# KiCad board SONATA-ONE.kicad_pcb (continued)
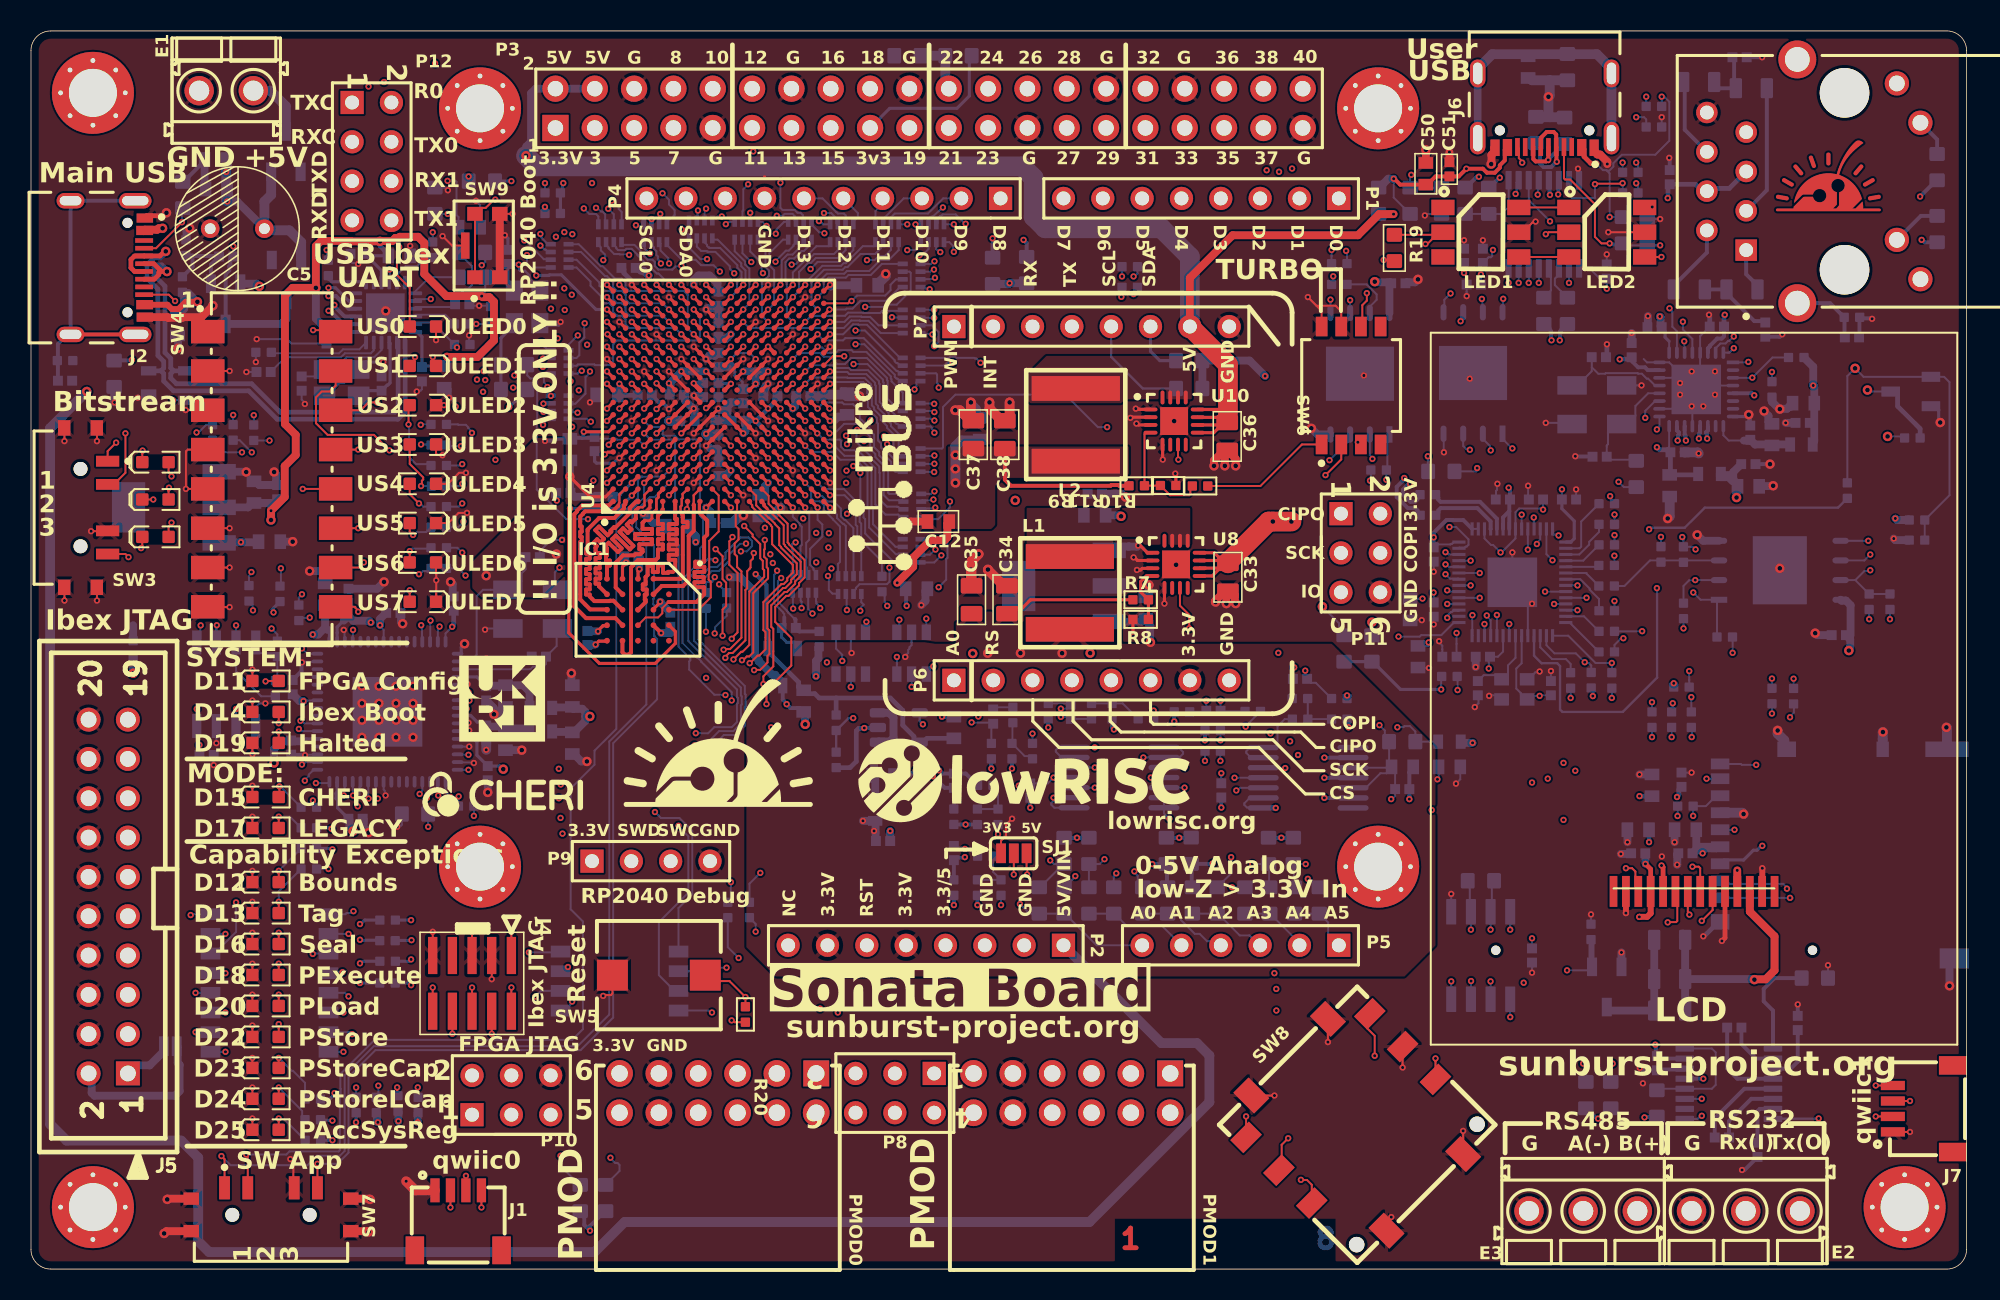
[diagram p0: board, top side]
## Routing (per net, layer and track width the routed paths; a pad name or vN(x,y) marks a point on that pad's centre or on a via; arc(x,y) is an arc through that point) (continued)
  Bottom w0.2: v2(19.21,63.4) 19.67,63.4 20.52,62.55 U12.5
  Bottom w0.254: v2(89.06,50.74) 89.02,50.74 88.95,50.66 88.9,50.66 88.61,50.37 88.61,50.06 89.09,49.58 89.39,49.58 89.53,49.72 89.53,49.86 R56.1
/RP2040/RP2040_SW0: length 139.7
  Top w0.127: SW3.1 4.95,52.85 v2(5.5,53.4)
  In3.Cu w0.127: v2(80.6,70.9) 81.1,70.4 82.8,70.4 83.8,71.4 83.8,77.4 82.4,78.8 28.12,78.8 28.11,78.81 27.69,78.81 27.68,78.8 24.6,78.8 23.7,77.9 18.9,77.9 17.9,76.9 17.9,66.16 15.25,63.5 15.25,63.29 14.96,63 14.75,63 7.65,55.91 7.01,55.91 5.5,54.4 v2(5.5,53.4)
  In6.Cu w0.127: v2(91.6,47.95) 91.62,47.96 91.62,52.58 91.64,52.61 91.64,52.94 91.62,52.96 91.62,60.38 85.05,66.95 81.85,66.95 80.75,68.05 80.75,70.01 80.6,70.16 v2(80.6,70.9)
  Bottom w0.127: U11.41 92.25,46.61 92.58,46.61 92.65,46.68 92.72,46.68 92.83,46.79 92.83,47.15 92.04,47.95 v2(91.6,47.95)
/RP2040/RP2040_SW1: length 140.8
  Top w0.127: SW3.2 5.35,50.7 6.1,51.45 v2(6.1,54)
  In3.Cu w0.127: v2(6.1,54) 14.85,62.75 15.06,62.75 15.5,63.19 15.5,63.4 18.4,66.3 18.4,76.73 19.18,77.51 22.29,77.51 22.38,77.6 25.02,77.6 25.11,77.51 26.55,77.51 27.34,78.3 82.5,78.3 83.55,77.25 83.55,71.51 82.76,70.72 81.28,70.72 80.99,71 80.99,71.06 80.76,71.29 80.09,71.29 v2(79.8,71)
  In6.Cu w0.127: v2(79.8,71) 79.8,70.6 80.5,69.9 80.5,69 80.48,68.98 80.48,67.92 81.7,66.7 84.94,66.7 90.85,60.79 90.85,48.14 91.35,47.64 v2(91.35,46.32)
  Bottom w0.127: U11.40 91.57,46.17 91.43,46.32 v2(91.35,46.32)
/RP2040/RP2040_SW2: length 142.8
  Top w0.127: v2(6.3,46) 6.1,46.2 SW3.4
  In3.Cu w0.127: v2(81.44,71.11) 82.41,71.11 83.29,71.99 83.29,77.15 82.6,77.84 27.24,77.84 26.65,77.25 25.01,77.25 24.91,77.35 22.49,77.35 22.39,77.25 19.55,77.25 18.8,76.5 18.8,66.13 12.36,59.69 12.17,59.69 8.78,56.3 8.78,55.88 6.3,53.4 v2(6.3,46)
  In6.Cu w0.127: v2(92.97,45.77) 92.97,50.23 92,51.2 92,61.01 90.85,62.16 90.85,63.37 87.22,67 85.36,67 85.15,67.21 83.89,67.21 82.9,68.2 82.9,69.8 81.84,70.86 81.75,70.86 81.5,71.11 v2(81.44,71.11)
  Bottom w0.127: U11.39 v2(92.97,45.77)
/RP2040/RP_N: length 4.7
  Bottom w0.254: R58.2 90.89,48.88 90.89,49.02 91.04,49.17 93.41,49.17 94.26,48.31 94.26,47.82 U11.46
/RP2040/RP_P: length 5.3
  Bottom w0.254: U11.47 94.67,48.48 93.58,49.58 91.03,49.58 90.88,49.72 90.88,49.86 R56.2
/RP2040_LED3: length 182.7
  In6.Cu w0.127: v2(88.31,40.87) 88.3,40.85 88.3,39.95 90.4,37.84 91.23,37.84 91.6,37.48 91.6,37.38 91.97,37.02 92.92,37.02 97.01,41.11 98.96,41.11 100.27,42.41 100.27,43.01 100.06,43.21 100.06,43.81 100.43,44.18 100.43,63.17 98.82,64.78 90.59,64.78 86.36,69.01 86.36,69.41 85.91,69.86 85.91,70.22 85.5,70.63 85.14,70.63 83.91,71.86 83.91,76.33 81.88,78.35 30.75,78.35 30.49,78.6 25.89,78.6 25.63,78.35 21.58,78.35 21.15,77.92 19.65,77.92 13.93,72.19 13.93,64.35 13.52,63.94 13.52,58.12 9.41,54 9.41,52.93 8.29,51.81 8.29,50.74 5.37,47.82 5.37,45.66 9.83,41.2 13.41,41.2 14.34,42.13 v2(14.34,42.56)
  Bottom w0.127: v2(88.31,40.87) 89.69,40.87 89.78,40.96 91.08,40.96 91.86,41.74 92.18,41.74 U11.29 ; R156.1 14.31,42.93 14.31,42.59 v2(14.34,42.56)
/RP2040_RGBLED0: length 37
  In4.Cu w0.152: v2(104.5,47.8) 104.1,47.4 104.1,44.9 v2(105,44)
  Bottom w0.152: 104.5,47.9 106.8,47.9 108.1,49.2 116.7,49.2 R210.2 ; U11.18 97.07,39.63 97.56,39.14 98.57,39.14 98.75,38.96 98.75,36.15 98.9,36 102.8,36 105.02,38.22 105.02,43.98 v2(105,44)
/SMPS/USB_nSUSPEND: length 74.4
  Top w0.127: v2(86.27,63.06) 86.27,63.05 86.27,62.57 85.98,62.28 85.98,60.67
  In1.Cu w0.127: v2(27.51,59.55) 27.51,59.63 27.34,59.8 27.34,60.21 28.98,61.85 29.11,61.85 31.05,63.79 35.95,63.79 36.53,63.21 38.96,63.21 39.21,63.45 39.21,64.06 39.51,64.36 39.51,64.36 39.74,64.59 39.74,64.59 41.09,65.95 55.55,65.95 55.83,66.23 59.99,66.23 60.11,66.11 60.94,66.11 61.12,65.93 62.38,65.93 62.56,66.11 66.61,66.11 68.39,67.89 74.9,67.89 82.19,60.6 84.66,60.6 85.98,61.91 85.98,62.28 86.27,62.57 86.27,63.05 v2(86.27,63.06)
  Bottom w0.127: 24.82,61.16 25.93,61.16 R14.1 27.52,59.56 v2(27.51,59.55)
/USB Phy/USBC_3_D_N: length 30.4
  Top w0.254: J6.A7 97.52,72.52 97.52,73.11 97.89,73.47 98.33,73.47 98.5,73.31 J6.B7 98.52,72.48 98.52,71.57 v2(98.53,71.55)
  In1.Cu w0.254: v2(98.73,60.01) 98.73,65.43 99.86,66.56 99.86,69.82 98.55,71.13 98.55,71.54 v2(98.53,71.55) 98.51,71.58 98.51,71.79 97.89,72.41 95.29,72.41 94.84,71.96 93.93,71.96 93.16,71.18 93.16,70.88 93.05,70.77 93.05,70.37 93.31,70.11 94.43,70.11 94.83,70.52 v2(94.85,70.52)
  Bottom w0.254: v2(94.85,70.52) 94.83,70.52 94.19,69.88 R34.1 ; v2(98.53,71.55) 98.51,71.55 98.17,71.21 97.68,71.21 97.45,71.43 97.45,72.49 R35.2 ; R29.1 99.17,61.07 98.85,60.74 98.85,60.69 98.75,60.6 98.75,60.04 v2(98.73,60.01)
/USB Phy/USBC_3_D_P: length 24.9
  Top w0.254: J6.A6 97.99,72.49 97.99,71.58 ; v2(97.98,71.67) 97.94,71.67 97.84,71.57 97.17,71.57 97.02,71.72 97.02,72.48 J6.B6
  In1.Cu w0.254: v2(93.51,70.58) 94.27,70.58 94.86,71.17 94.86,71.43 95.45,72.03 97.62,72.03 v2(97.98,71.67) 98.01,71.64 98.01,71.13 98.33,70.81 98.33,70.66 99.48,69.51 99.48,66.72 98.2,65.44 v2(98.2,60.01)
  Bottom w0.254: R31.1 92.67,69.88 93.34,70.55 93.48,70.55 v2(93.51,70.58) ; v2(98.2,60.01) 98.17,60.04 98.17,60.6 98.07,60.69 98.07,60.74 97.75,61.07 R27.1 ; R36.2 98.99,72.7 97.98,71.7 v2(97.98,71.67)
/USB Phy/USBC_F_D_N: length 2.3
  Bottom w0.127: R29.2 99.2,62.77 98.82,63.15 98.82,63.17 98.41,63.58 98.41,63.99 98.67,64.25 U13.11
/USB Phy/USBC_F_D_P: length 2.1
  Bottom w0.127: R27.2 97.72,62.77 98.11,63.15 98.11,63.17 98.16,63.23 98.16,64.52 U13.12
/USR_JTAG_TCK: length 106.9
  Top w0.127: v2(29.76,15.2) J4.4
  Top w0.203: v2(40.4,61.2) U4.E15
  In3.Cu w0.127: v2(29.76,15.2) 28.76,15.2 28.69,15.13 27.77,15.13 27.61,15.29 27.61,15.36 27.38,15.6 27.05,15.6 27.03,15.57 20.57,15.57 20.34,15.34 14.14,15.34 12.95,16.53 12.95,20.23 v2(10.31,22.87) 10.31,23.42 9.66,24.07 9.66,40.17 9.69,40.2 9.69,41.24 12.46,44.01 15.79,44.01 17.31,45.53 17.31,45.98 20.1,48.77 20.1,59.63 22.42,61.94 22.42,62.12 22.71,62.41 22.88,62.41 25.98,65.51 31.45,65.51 31.83,65.12 32.8,65.12 33.72,66.04 33.72,66.62
  In6.Cu w0.127: 10.16,22.8 J5.9 J5.11 ; v2(40.4,61.2) 40.45,61.25 40.45,61.5 40.8,61.84 40.8,64.2 39.03,65.97 33.94,65.97 33.9,66.01 v2(33.9,66.7)
  Bottom w0.127: SW2.16 10.36,22.93 v2(10.31,22.87)
/USR_JTAG_TDI: length 104.2
  Top w0.127: v2(27.22,15.2) J4.8
  Top w0.203: v2(42,62.8) U4.G17
  In3.Cu w0.127: v2(28.8,57.47) 28.83,57.5 28.83,58.17 28.88,58.22 28.88,59.17 31.75,62.04 32.83,62.04 33.28,61.59 34.36,61.59 34.38,61.58 35.01,61.58 35.82,62.39 41.59,62.39 v2(42,62.8)
  In4.Cu w0.127: v2(28.8,57.47) 28.8,56.52 26.18,53.9 26.18,49.2 25.18,48.2 23.62,48.2 23.62,46.15 20.63,43.16 18.08,43.16 17.87,42.95 14.65,42.95 14.43,43.16 11.51,43.16 10.07,41.72 10.07,33.74 12.56,31.25 v2(12.56,21.66)
  In6.Cu w0.127: v2(27.22,15.2) 23.7,15.2 21.65,13.15 14.13,13.15 13.63,13.66 13.63,21.71 13.55,21.78 13.16,21.78 13.03,21.66 v2(12.56,21.66) 11.65,20.75 11.65,18.31 10.79,17.45 6.53,17.45 J5.5
  Bottom w0.127: SW2.15 v2(12.56,21.66)
/USR_JTAG_TDO: length 110.6
  Top w0.127: J4.6 v2(28.48,18.19)
  Top w0.203: v2(43.6,60.4) U4.J14
  In3.Cu w0.127: v2(28.48,18.19) 27.29,18.19 26.9,18.58 25.78,18.58 25.15,17.95 20.74,17.95 18.72,19.97 16.32,19.97 15.84,20.45 13.7,20.45 13.63,20.53 13.63,23.31 v2(13.25,23.69) 13.25,28.01 9.94,31.31 9.94,41.13 12.44,43.63 15.76,43.63 17.56,45.43 17.56,45.87 20.36,48.66 20.36,58.66 23.59,61.89 23.59,62.48 26.36,65.26 29.27,65.26 29.86,64.66 31.18,64.66 31.34,64.51 31.66,64.51 31.82,64.66 32.76,64.66 v2(34.96,66.87)
  In6.Cu w0.127: v2(34.96,66.87) 35.02,66.92 35.35,66.92 35.42,67 38.6,67 38.79,66.8 38.8,66.8 39.34,66.8 39.54,67 41.19,67 43.99,64.19 43.99,60.79 v2(43.6,60.4) ; v2(13.25,23.69) 9.05,27.88 J5.13
  Bottom w0.127: v2(13.25,23.69) 13.25,21.78 11.85,20.39 SW2.14
/USR_JTAG_TMS: length 124.2
  Top w0.127: J4.2 v2(31.03,18.19)
  Top w0.203: v2(42.8,61.2) U4.H15
  In3.Cu w0.127: v2(34.44,67) 34.39,67.05 34.1,67.05 34.06,67.09 33.74,67.09 33.64,67 33.57,67 33.35,66.78 33.35,66.03 33.06,65.74 32.36,65.74 32.19,65.91 31.86,65.91 31.62,66.15 26.26,66.15 22.78,62.66 22.6,62.66 22.16,62.22 22.16,62.05 19.85,59.74 19.85,48.87 17.06,46.08 17.06,45.64 15.81,44.39 12.48,44.39 9.41,41.32 9.41,22.93 12.56,19.78 v2(12.56,19.12)
  In6.Cu w0.127: v2(42.8,61.2) 42.41,61.59 42.41,62.15 42.15,62.41 41.84,62.41 41.61,62.64 41.61,64.35 41.61,64.35 41.61,65.14 40.26,66.49 39.75,66.49 39.48,66.22 35.05,66.22 34.57,66.71 34.57,66.8 34.44,66.92 v2(34.44,67) ; v2(31.03,18.19) 31.03,16.66 31.1,16.58 31.1,15.13 30.39,14.42 23.28,14.42 21.5,12.64 13.63,12.64 13.37,12.89 13.37,18.3 v2(12.56,19.12) 12.51,19.06 12.51,18.81 10.2,16.5 5.07,16.5 5,16.57 5,19 J5.7
  Bottom w0.127: SW2.13 v2(12.56,19.12)
/USR_JTAG_TRST: length 80.1
  Top w0.203: v2(38.8,62) U4.C16
  In3.Cu w0.127: v2(38.8,62) 38.39,61.59 35.68,61.59 34.89,60.81 33.71,60.81 32.73,61.79 31.85,61.79 29.95,59.88 29.37,59.3 29.37,58.48 29.29,58.4 29.29,58.07 v2(29.23,58.02)
  In4.Cu w0.127: v2(29.23,58.02) 24.3,58.02 23.54,57.26 23.54,51.85 23.37,51.68 23.37,46.26 20.53,43.42 17.98,43.42 17.76,43.21 14.75,43.21 14.54,43.42 11.41,43.42 9.82,41.83 9.82,33.63 11.41,32.04 11.41,19.71 12.56,18.56 v2(12.56,16.58)
  In6.Cu w0.127: v2(12.56,16.58) 11.97,15.99 7.07,15.99 J5.3
  Bottom w0.127: SW2.11 v2(12.56,16.58)
NRST: length 226.1
  Top w0.127: R20.2 v2(46.14,17.58) 45.11,18.61 43.93,18.61 SW5.2 ; J4.10 v2(25.95,18.19)
  Top w0.203: U4.T5 v2(50,52.4)
  In1.Cu w0.127: v2(46.14,17.58) 45.82,17.27 38.48,17.27 37.7,18.04 35.59,18.04 34.51,19.12 25.95,19.12 ; v2(93.09,42.25) 93.07,42.25 92.78,42.54 83.84,42.54 83.61,42.3 83.19,42.3 82.96,42.54 81.35,42.54 74.5,49.39 67.2,49.39 66.42,50.16 59.11,50.16 57.31,51.97 57.31,52.38 55.33,54.36 54.27,54.36 54.19,54.29 54.19,53.34 53.96,53.11 53.41,53.11 52.27,51.97 52.27,51.17 v2(52.64,50.8) ; 25.95,19.12 20.95,19.12 20.61,18.79 14.8,18.79 13.86,17.85 v2(10.63,17.85) ; 25.95,19.12 v2(25.95,18.19)
  In4.Cu w0.127: P2.6 59.01,15.89 105.47,15.89 112.2,22.62 112.2,34.92 105.26,41.87 97.5,41.87 96.72,42.66 93.46,42.66 93.09,42.28 v2(93.09,42.25)
  In6.Cu w0.127: J5.15 6.41,30.27 7.23,30.27 13.64,23.85 13.64,23.29 10.96,20.61 10.96,18.18 v2(10.63,17.85) ; P2.6 53.98,17.89 52.27,16.18 48.3,16.18 48.29,16.2 47.52,16.2 v2(46.14,17.58) ; v2(52.64,50.8) 52.27,51.17 52.27,51.48 51.75,52.01 50.39,52.01 v2(50,52.4)
  Bottom w0.127: v2(93.09,42.25) 93.08,42.24 93.08,40.93 U11.28 ; v2(10.63,17.85) SW2.12
Net-(C50-Pad1): length 37.6
  Top w0.254: 95.35,72.5 95.18,72.33 95.18,71.64 94.86,71.32 94.86,71.17 94.53,70.84 94.02,70.84 93.76,71.1 v2(92.7,71.1) 92.2,70.6 90.71,70.6 90.18,70.07 C50.1 88.43,70.07 88.05,70.45 v2(88,70.45)
  Top w0.305: 100.15,72.5 100.3,72.35 100.3,71.88 100.73,71.45 101.07,71.45 v2(101.09,71.43)
  In4.Cu w0.305: v2(92.7,71.1) 93.35,71.75 93.82,71.75 94.37,72.3 100.22,72.3 v2(101.09,71.43)
  Bottom w0.127: 101.77,70.97 101.95,70.8 v2(101.95,67.97) R22.1 ; 101.77,70.97 101.93,70.97 102.19,71.24 102.19,71.46 102.74,72 104.9,72 105.8,72.9 105.8,75.42 105.53,75.7 105.37,75.7 v2(105.31,75.75) R23.1 ; 101.77,70.97 101.74,71.01 101.52,71.01 v2(101.09,71.43) ; v2(88,70.45) 88,69.24 88.66,68.58 88.66,68.56 89.04,68.18 R26.1
  Bottom w0.508: R41.1 87.08,69.88 87.65,70.45 v2(88,70.45)
Net-(C119-Pad2): length 3.7
  Bottom w0.254: R204.1 108.7,76.57 108.97,76.3 R198.1 109.99,76.41 109.99,78.19 C119.2
Net-(C142-Pad2): length 4.9
  Bottom w0.254: R197.1 R196.1 109.5,63.05 111.3,61.25 111.91,61.25 C142.2
Net-(D3-PadA): length 18.5
  Top w0.127: D3.A 24.46,63.4 23.63,64.23 23.63,65.12 23.77,65.25 23.77,66.03 v2(23.78,66.04)
  In6.Cu w0.127: v2(23.78,66.04) 23.77,66.03 23.77,65.19 23.63,65.05 23.63,64.1 25.31,62.42 25.31,56.54 25.17,56.4 v2(25.17,54.55)
  Bottom w0.127: R138.2 25.2,54.58 v2(25.17,54.55)
Net-(D4-PadA): length 7.4
  Top w0.127: D4.A 24.75,58.65 24.75,58.88 v2(24.8,58.93)
  In6.Cu w0.127: v2(24.8,58.93) 24.52,58.65 24.52,56.36 24.78,56.11 24.78,53.69 v2(25.19,53.28)
  Bottom w0.127: R140.2 25.8,53.28 v2(25.19,53.28)
Net-(D5-PadA): length 5
  Top w0.127: v2(24.38,54.58) 24.38,55.74 D5.A
  Bottom w0.127: R142.2 25.75,52.01 24.88,52.01 24.42,52.47 24.42,54.54 v2(24.38,54.58)
Net-(D6-PadA): length 3.8
  Top w0.127: v2(25.19,50.59) 25.24,50.65 25.24,50.94 25.33,51.02 25.33,51.15 24.46,52.02 D6.A
  Bottom w0.127: v2(25.19,50.59) R144.2
Net-(D7-PadA): length 2.4
  Top w0.127: D7.A 24.46,50.07 v2(25.06,49.47)
  Bottom w0.127: v2(25.06,49.47) 25.13,49.47 25.34,49.26 R147.2
Net-(D8-PadA): length 2.2
  Top w0.127: D8.A 24.46,47.65 v2(24.68,47.44)
  Bottom w0.127: v2(24.68,47.44) 24.75,47.44 24.93,47.62 25.52,47.62 R149.2
Net-(D9-PadA): length 2.2
  Top w0.127: v2(24.46,46.39) D9.A
  Bottom w0.127: R151.2 25.78,46.55 24.62,46.55 v2(24.46,46.39)
Net-(D10-PadA): length 6.8
  Top w0.127: v2(24.46,43.86) D10.A
  In6.Cu w0.127: v2(24.46,43.86) 24.47,43.85 25.44,43.85 25.87,43.42 27.22,43.42 28.06,44.27 v2(28.06,44.81)
  Bottom w0.127: R153.2 27.6,45.28 v2(28.06,44.81)
Net-(D11-PadA): length 9.3
  Top w0.127: D11.A 15.18,38 v2(15.15,37.97)
  In6.Cu w0.127: v2(14.24,45.04) 14.24,44.24 15.14,43.33 15.14,40.77 15.27,40.64 15.27,39.4 15.15,39.29 v2(15.15,37.97)
  Bottom w0.127: v2(14.24,45.04) 14.24,44.96 14.08,44.81 R156.2
Net-(D12-PadA): length 2.8
  Top w0.127: v2(16,25.73) D12.A
  Bottom w0.127: v2(16,25.73) 16,25.73 R139.2
Net-(D13-PadA): length 3.4
  Top w0.127: D13.A v2(16,23.73)
  Bottom w0.127: R141.2 16,24.4 v2(16,23.73)
Net-(D14-PadA): length 12.2
  Top w0.127: v2(16,35.27) D14.A
  In6.Cu w0.127: v2(16.14,45.28) 16.14,41.43 15.78,41.08 15.78,35.56 16,35.35 v2(16,35.27)
  Bottom w0.127: v2(16.14,45.28) 16.14,44.19 R158.2
Net-(D15-PadA): length 2.7
  Top w0.127: v2(16.04,31.19) 16.04,30.54 D15.A
  Bottom w0.127: R155.2 16.1,31.19 v2(16.04,31.19)
Net-(D16-PadA): length 7.6
  Top w0.127: D16.A v2(16,21.73)
  In6.Cu w0.127: v2(21.25,22.29) 18.62,22.29 18.06,21.73 v2(16,21.73)
  Bottom w0.203: v2(21.25,22.29) 21.3,22.29 21.55,22.55 R143.2
Net-(D17-PadA): length 2.5
  Top w0.127: D17.A v2(16,29.23)
  Bottom w0.127: R157.2 16.72,29.23 v2(16,29.23)
Net-(D18-PadA): length 7.9
  Top w0.127: D18.A v2(16,19.73)
  In6.Cu w0.127: v2(16,19.73) 19.7,19.73 v2(21.25,21.28)
  Bottom w0.203: v2(21.25,21.28) 21.28,21.25 22.49,21.25 R145.2
Net-(D19-PadA): length 13.9
  Top w0.127: D19.A v2(16,34.73)
  In6.Cu w0.127: v2(16,34.73) 16.88,33.85 18.1,33.85 18.5,34.26 18.5,35.24 16.55,37.2 16.55,40.76 17.1,41.31 17.2,41.31 17.98,42.09 v2(18,42.09)
  Bottom w0.127: R159.2 17.48,42.08 17.99,42.08 v2(18,42.09)
Net-(D20-PadA): length 7.9
  Top w0.127: v2(16,17.73) D20.A
  In6.Cu w0.127: v2(21.25,19.75) 19.22,17.73 v2(16,17.73)
  Bottom w0.203: 21.44,19.89 R146.2
Net-(D22-PadA): length 8.5
  Top w0.127: v2(16,15.83) D22.A
  In6.Cu w0.127: v2(16,15.83) 17.7,15.83 20.36,18.48 20.99,18.48
  In6.Cu w0.203: 20.99,18.48 v2(21.25,18.48)
  Bottom w0.203: v2(21.25,18.48) R148.2
Net-(D23-PadA): length 4.1
  Top w0.127: D23.A v2(16,13.64)
  Bottom w0.127: R150.2 17.7,12.03 16.92,12.81 16.83,12.81 v2(16,13.64)
Net-(D24-PadA): length 3.5
  Top w0.127: D24.A v2(16,11.73)
  Bottom w0.127: v2(16,11.73) 17.51,10.22 17.51,9.84 R152.2
Net-(D25-PadA): length 3
  Top w0.127: D25.A v2(16,9.73)
  Bottom w0.127: R154.2 16.35,9.68 16.05,9.68 v2(16,9.73)
Net-(D26-PadA): length 8.6
  Top w0.127: D26.A 8.89,51.48 9.07,51.3 v2(9.07,51.22)
  In6.Cu w0.127: v2(13.63,52.77) 10.25,52.77 9.92,52.43 9.92,52.06 v2(9.07,51.22)
  Bottom w0.127: v2(13.63,52.77) 12.51,52.77 R200.1
Net-(D27-PadA): length 8.7
  Top w0.127: D27.A 8.89,50.28 8.87,50.3 8.87,50.45 v2(8.91,50.49)
  In6.Cu w0.127: v2(14.26,52.77) 13.8,52.31 10.75,52.31 9.33,50.89 9.3,50.89 9.16,50.74 9.16,50.72 9.09,50.72 8.91,50.54 v2(8.91,50.49)
  Bottom w0.127: R201.1 13.48,53.56 v2(14.26,52.77)
Net-(D28-PadA): length 12.4
  Top w0.127: v2(9.07,48.23) 9.07,48.15 8.89,47.97 D28.A
  In6.Cu w0.127: v2(15.4,53.53) 15.46,53.48 15.46,53.28 15.54,53.19 15.54,53.06 14.54,52.06 10.91,52.06 9.3,50.46 9.3,50.32 9.07,50.09 8.94,50.09 8.89,50.04 8.89,49.27 9.07,49.08 v2(9.07,48.23)
  Bottom w0.127: v2(15.4,53.53) 14.4,53.53 R202.1
Net-(J2-CC1): length 4.1
  Top w0.127: J2.A5 8.08,65.96 9.75,67.63 v2(9.75,67.64)
  Bottom w0.127: R1.1 9.75,68.5 v2(9.75,67.64)
Net-(J2-CC2): length 8.7
  Top w0.127: v2(9.31,62.55) 8.9,62.96 J2.B5
  In6.Cu w0.127: v2(6.51,58.74) 7.2,58.74 9.31,60.85 v2(9.31,62.55)
  Bottom w0.127: 5.36,58.71 R4.1
  Bottom w0.254: v2(6.51,58.74) 6.49,58.71 5.36,58.71
Net-(J2-MNT_1): length 20.4
  Top w0.254: J2.4 J2.2
  Bottom w0.254: C116.1 1.74,59.77 2.36,60.39 J2.4 J2.3 J2.1
Net-(J3A-MNT_1): length 20.8
  In3.Cu w1.27: J3.13 114.07,77.84 114.41,77.5 114.41,69.17 114.07,68.83 J3.14
  Bottom w0.254: J3.14 116.19,62.41 R135.1 117.12,61.48 117.12,60.22 C118.1
Net-(J3B-GREEN_C): length 3.2
  Bottom w0.254: J3.10 122.05,68.05 R136.2
Net-(J3C-YELLOW_CATHODE): length 2.5
  Bottom w0.254: R137.2 123.1,72.99 J3.11
Net-(J5-Pad2): length 10.2
  Bottom w0.508: J5.2 3.92,12.44 3.92,11.38 4.1,11.2 9.3,11.2 9.6,11.5 9.6,13.2 9.48,13.32 9.48,14.34 SJ2.2
Net-(J6-CC1): length 12.7
  Top w0.127: v2(101.95,66.27) 101.43,66.27 101,66.7 101,68.8 99.4,70.4 99.07,70.4 99,70.47 J6.A5
  Bottom w0.127: R24.1 105.04,66.15 ; 105.04,66.15 102.15,66.15 102.03,66.27 ; 105.04,66.15 v2(105.21,66.15) ; 102.03,66.27 v2(101.95,66.27) ; 102.03,66.27 102.13,66.27 R22.2
Net-(J6-CC2): length 12.1
  Top w0.127: v2(96.3,71.49) 96.3,71.57 96.09,71.78 96.09,72.41 J6.B5
  In6.Cu w0.127: v2(96.3,71.49) 95.25,70.44 95.25,70.35 95.02,70.12 94.93,70.12 94.83,70.02 89.83,70.02 v2(89.14,70.7)
  Bottom w0.127: v2(89.14,70.7) 89.06,70.63 R26.2 R28.1
Net-(J6-MNT_1): length 18.4
  Bottom w0.5: J6.2 J6.4
  Bottom w0.635: J6.4 93.43,77.56 94.37,78.5 101.13,78.5 102.07,77.56 J6.3 J6.1
Net-(L7-Pad2): length 3.5
  Bottom w0.127: L7.2 R82.1 89.41,34.73 89.06,35.08 88.7,35.08 88.63,35.02 88.25,35.02 v2(88.24,35.01)
Net-(LCD1-LEDK): length 16.8
  Top w0.508: LCD1.3 111,24.4 111,23.1 112.6,21.5 112.6,19.3 112.02,18.72 111.32,18.72 v1(111.3,18.7)
  Bottom w0.508: R132.1 111.24,18.74 111.27,18.7 v1(111.3,18.7) ; R132.1 R131.1 ; R132.1 R130.1 106.68,21.42 106.68,21.67
Net-(LED1-BI): length 3.2
  Top w0.127: LED1.6 LED2.1
Net-(LED1-DI): length 3.2
  Top w0.127: LED1.4 LED2.3
Net-(LED1-VCC): length 42.6
  Top w0.127: R19.1 90.77,66.83 ; 90.77,66.83 90.94,67 LED1.2 ; 90.77,66.83 90.17,66.23 v2(90.05,66.23) ; LED2.2 98.03,67 97.9,66.87 v2(97.83,66.87)
  In6.Cu w0.127: v2(90.05,66.23) 90.05,66.64 90.28,66.87 v2(97.83,66.87) 99.33,66.87 102.8,63.4 108.2,63.4 117.8,53.8 v1(119.9,53.8)
  Bottom w0.127: R192.1 120.9,53.8 v1(119.9,53.8)
Net-(LED2-BI): length 28.4
  Top w0.127: LED2.6 104.24,68.63 v2(104.7,68.63) ; LED2.4 v2(105.29,65.4)
  In4.Cu w0.127: v2(105.29,65.4) 106.18,66.29 106.18,67.5 105.09,68.59 104.74,68.59 v2(104.7,68.63)
  In6.Cu w0.127: v2(105.29,65.4) 107.62,65.4 112.71,60.31 112.71,60.24 112.94,60.01 113.01,60.01 116.22,56.8 v1(118.6,56.8)
  Bottom w0.127: v1(118.6,56.8) 118.7,56.7 Q3.3
  Bottom w0.305: Q3.3 120.38,56.7 120.55,56.53 120.55,55.75 122,54.3 R192.2
Net-(P2-Pad4): length 9.5
  Top w0.127: v2(63.47,25.49) 63.47,25.87 63.47,25.87 SJ1.2
  In6.Cu w0.127: P2.4 59.06,24.09 60.46,25.49 v2(63.47,25.49)
Net-(Q1-D): length 10.5
  Bottom w0.127: C4.1 v2(13.07,66.08)
  Bottom w0.254: Q1.3 12.57,64.29 12.81,64.53 12.81,64.79 12.88,64.86 12.88,65.23 C4.1
  Bottom w0.508: Q5.3 16.5,61.4 16.17,61.07 Q1.3
Net-(Q1-G): length 5.8
  Bottom w0.254: Q1.1 11.62,64.9 C4.2 12.12,65.46 10.46,65.46 10.44,65.48 ; 10.44,65.48 10.02,65.48 R3.1 ; 10.44,65.48 10.44,64.77 R2.2
Net-(Q2-D): length 7.6
  Bottom w0.508: Q2.3 101.76,16.78 101.83,16.7 R131.2 ; R130.2 R132.2 104.83,16.93
Net-(Q4-D): length 4.3
  Bottom w0.635: E1.A1 15.46,76.14 16.46,75.14 Q4.3
  Bottom w1.27: E1.A1 14.48,76.02
Net-(R10-Pad2): length 8.5
  Top w0.127: SW6.1 82.08,53.28 79.4,50.6 R10.2
Net-(R53-Pad2): length 10.1
  Top w0.127: v2(29.98,69.1) 29.9,69.1 29.37,68.57 29.06,68.57 SW9.2 SW9.1
  In6.Cu w0.127: v2(33.19,70.17) 32.13,69.1 v2(29.98,69.1)
  Bottom w0.127: v2(33.19,70.17) 33.19,69.99 R53.2
Net-(R78-Pad2): length 3.1
  Bottom w0.127: 62.53,25.27 62.13,25.67 R79.1 ; R80.1 R78.2
Net-(R85-Pad2): length 3
  Bottom w0.127: R88.1 R85.2 62.45,30.93 R86.1
Net-(R92-Pad2): length 3.1
  Bottom w0.127: R92.2 64.5,33.14 64.17,33.14 R95.1 63.38,34 63.38,35.27 R93.1
Net-(R100-Pad1): length 6
  In6.Cu w0.127: v2(76.82,32.84) v2(76.82,34.17) 77.57,34.17 v2(78.45,35.04)
  Bottom w0.127: v2(78.45,35.04) 78.45,35.08 R100.1 ; R102.1 v2(76.82,34.17) ; v2(76.82,32.84) R99.2
Net-(R106-Pad2): length 3.4
  Bottom w0.127: R106.2 70.5,36.55 R109.1 R107.1
Net-(R113-Pad2): length 2.9
  Bottom w0.127: R114.1 82.46,36.86 82.46,35.54 R113.2 R116.1
Net-(U3-A/Y): length 24.4
  In6.Cu w0.127: E3.A2 94.65,9.34 94.65,18.75 92.99,20.42 v2(92.99,21.93)
  Bottom w0.127: v2(92.99,21.93) U3.6 92.92,23.16 92.92,24.95 R40.2
Net-(U3-B/Z): length 25.5
  In6.Cu w0.127: E3.A3 95.08,12.41 95.08,17.23 95.3,17.45 95.3,20.89 v2(94.26,21.93)
  Bottom w0.127: v2(94.26,21.93) U3.7 94.34,23.17 94.34,24.94 R40.1
Net-(U4A-IO_0_14): length 10.9
  Top w0.203: U4.R11 v2(49.2,58)
  In6.Cu w0.127: v2(49.2,58) 49.59,58.39 51.76,58.39 52.08,58.08 54.38,58.08 55.9,59.6 55.9,61.2 v2(55.6,61.5)
  Bottom w0.127: R183.3A 56.29,61.49 55.61,61.49 v2(55.6,61.5)
Net-(U4A-IO_25_14): length 20.3
  Top w0.203: U4.R10 v2(49.2,57.2)
  In6.Cu w0.127: v2(59.6,65.73) 59.6,64.24 57.57,62.21 57.57,58.74 54.63,55.81 54.56,55.81 53.76,55.01 53.44,55.01 52.12,56.33 50.07,56.33 v2(49.2,57.2)
  Bottom w0.127: v2(59.6,65.73) 59.55,65.78 59.55,66.11 59.31,66.35 R189.1A
Net-(U4A-IO_L1P_T0_D00_MOSI_14): length 6
  Top w0.203: U4.K17 v2(45.2,62.8)
  Bottom w0.127: v2(45.2,62.8) 45.59,63.19 45.59,63.75 45.89,64.04 45.89,64.43 45.62,64.7 45.62,64.86 44.5,65.98 43.84,65.98 43.82,66 43.77,66 43.66,66.11 43.66,66.18 43.5,66.34 43.5,66.52
Net-(U4A-IO_L2N_T0_D03_14): length 7.4
  Top w0.203: U4.M14 v2(46.8,60.4)
  In6.Cu w0.127: v2(47.27,64.35) 47.32,64.3 47.32,64.01 47.34,64 47.34,63.89 47.21,63.76 47.21,63.44 47.34,63.31 47.34,63.09 47.21,62.96 47.21,60.81 v2(46.8,60.4)
  Bottom w0.127: R177.2A 46.45,65.75 47.18,65.02 47.18,64.44 v2(47.27,64.35)
Net-(U4A-IO_L2P_T0_D02_14): length 8
  Top w0.203: U4.L14 v2(46,60.4)
  In6.Cu w0.127: v2(46,60.4) 46.39,60.79 46.39,62.16 46.16,62.4 45.84,62.4 45.61,62.64 45.61,63.76 45.71,63.87 45.71,64.08 46.29,64.65 46.29,64.76 46.52,64.99 v2(46.52,65.07)
  Bottom w0.127: R177.3A 45.95,65.64 v2(46.52,65.07)
Net-(U4A-IO_L3N_T0_DQS_EMCCLK_14): length 5.6
  Top w0.203: U4.L16 v2(46,62)
  Bottom w0.127: v2(46,62) 46.39,62.39 46.39,64.64 46.12,64.91 46.12,65.09 45.45,65.77 R177.4A
Net-(U4A-IO_L3P_T0_DQS_PUDC_B_14): length 11.6
  Top w0.203: U4.L15 v2(46,61.2)
  Bottom w0.127: v2(46,61.2) 46.39,60.81 52.49,60.81 52.98,61.29 53.52,61.29 53.55,61.27 54.09,61.27 54.88,60.48 R183.1A
Net-(U4A-IO_L4N_T0_D05_14): length 13.2
  Top w0.203: U4.M18 v2(46.8,63.6)
  In6.Cu w0.127: v2(56.59,65.84) 54.88,65.84 54.75,65.97 54.49,65.97 54.36,66.1 53.61,66.1 53.5,65.98 50.04,65.98 49.9,65.84 48.12,65.84 47.23,64.95 47.23,64.87 46.88,64.51 46.88,64.38 46.8,64.3 v2(46.8,63.6)
  Bottom w0.127: R189.4A 57.46,66.18 57.13,65.84 v2(56.59,65.84)
Net-(U4A-IO_L4P_T0_D04_14): length 4.6
  Top w0.203: U4.L18 v2(46,63.6)
  Bottom w0.127: 44,66.52 44.34,66.52 45.87,64.99 45.87,64.8 46.14,64.53 46.14,63.82 46,63.68 v2(46,63.6)
Net-(U4A-IO_L5N_T0_D07_14): length 9.1
  Top w0.203: U4.R13 v2(49.2,59.6)
  In6.Cu w0.127: v2(49.2,59.6) 49.61,60.01 52.61,60.01 v2(53.25,60.65)
  Bottom w0.127: R181.3A 56.12,58.38 55.96,58.54 55.89,58.54 55.78,58.65 55.78,58.72 53.85,60.65 v2(53.25,60.65)
Net-(U4A-IO_L5P_T0_D06_14): length 10.5
  Top w0.203: U4.R12 v2(49.2,58.8)
  Bottom w0.127: v2(49.2,58.8) 49.59,59.19 50.96,59.19 51.2,58.95 51.59,58.95 52.07,58.47 52.57,58.47 52.96,58.87 53.98,58.87 55.27,57.58 55.27,57.44 55.32,57.39 55.32,56.23 55.61,55.95 55.61,55.89 55.89,55.61 55.96,55.61 56.12,55.45 R188.3A
Net-(U4A-IO_L6N_T0_D08_VREF_14): length 26.8
  Top w0.203: U4.M13 v2(46.8,59.6)
  In3.Cu w0.127: v2(46.8,59.6) 47.19,59.21 48.25,59.21 49.05,60.01 51.76,60.01 52.84,61.08 52.84,61.69 53.96,62.82 v2(70.42,62.82)
  Bottom w0.127: v2(70.42,62.82) 70.42,63.4 R169.1
Net-(U4A-IO_L6P_T0_FCS_B_14): length 10.1
  Top w0.203: U4.L13 v2(46,59.6)
  In6.Cu w0.127: v2(46,59.6) 45.61,59.99 45.61,62.15 45.36,62.39 44.9,62.39 44.74,62.55 44.74,63.7 45.38,64.34 v2(45.42,64.34)
  Bottom w0.127: 43,66.52 43,66.07 43.29,65.78 43.63,65.78 43.67,65.75 43.71,65.75 43.73,65.73 44.2,65.73 45.13,64.79 45.13,64.63 45.42,64.35 v2(45.42,64.34)
Net-(U4A-IO_L7N_T1_D10_14): length 6.4
  Top w0.203: U4.T18 v2(50,63.6)
  Bottom w0.127: v2(50,63.6) 50.05,63.65 50.05,63.77 51.11,64.82 52.31,64.82 52.48,64.99 52.62,64.99 53.72,66.09 54.45,66.09 54.54,66.18 R190.4A
Net-(U4A-IO_L7P_T1_D09_14): length 5.4
  Top w0.203: U4.R18 v2(49.2,63.6)
  Bottom w0.127: v2(49.2,63.6) 49.2,64.39 50.08,65.27 50.26,65.27 50.58,65.58 51.85,65.58 52.11,65.84 R191.3A
